# Altium PCB PCB_Core.PcbDoc (part 1 of 2) (continued)
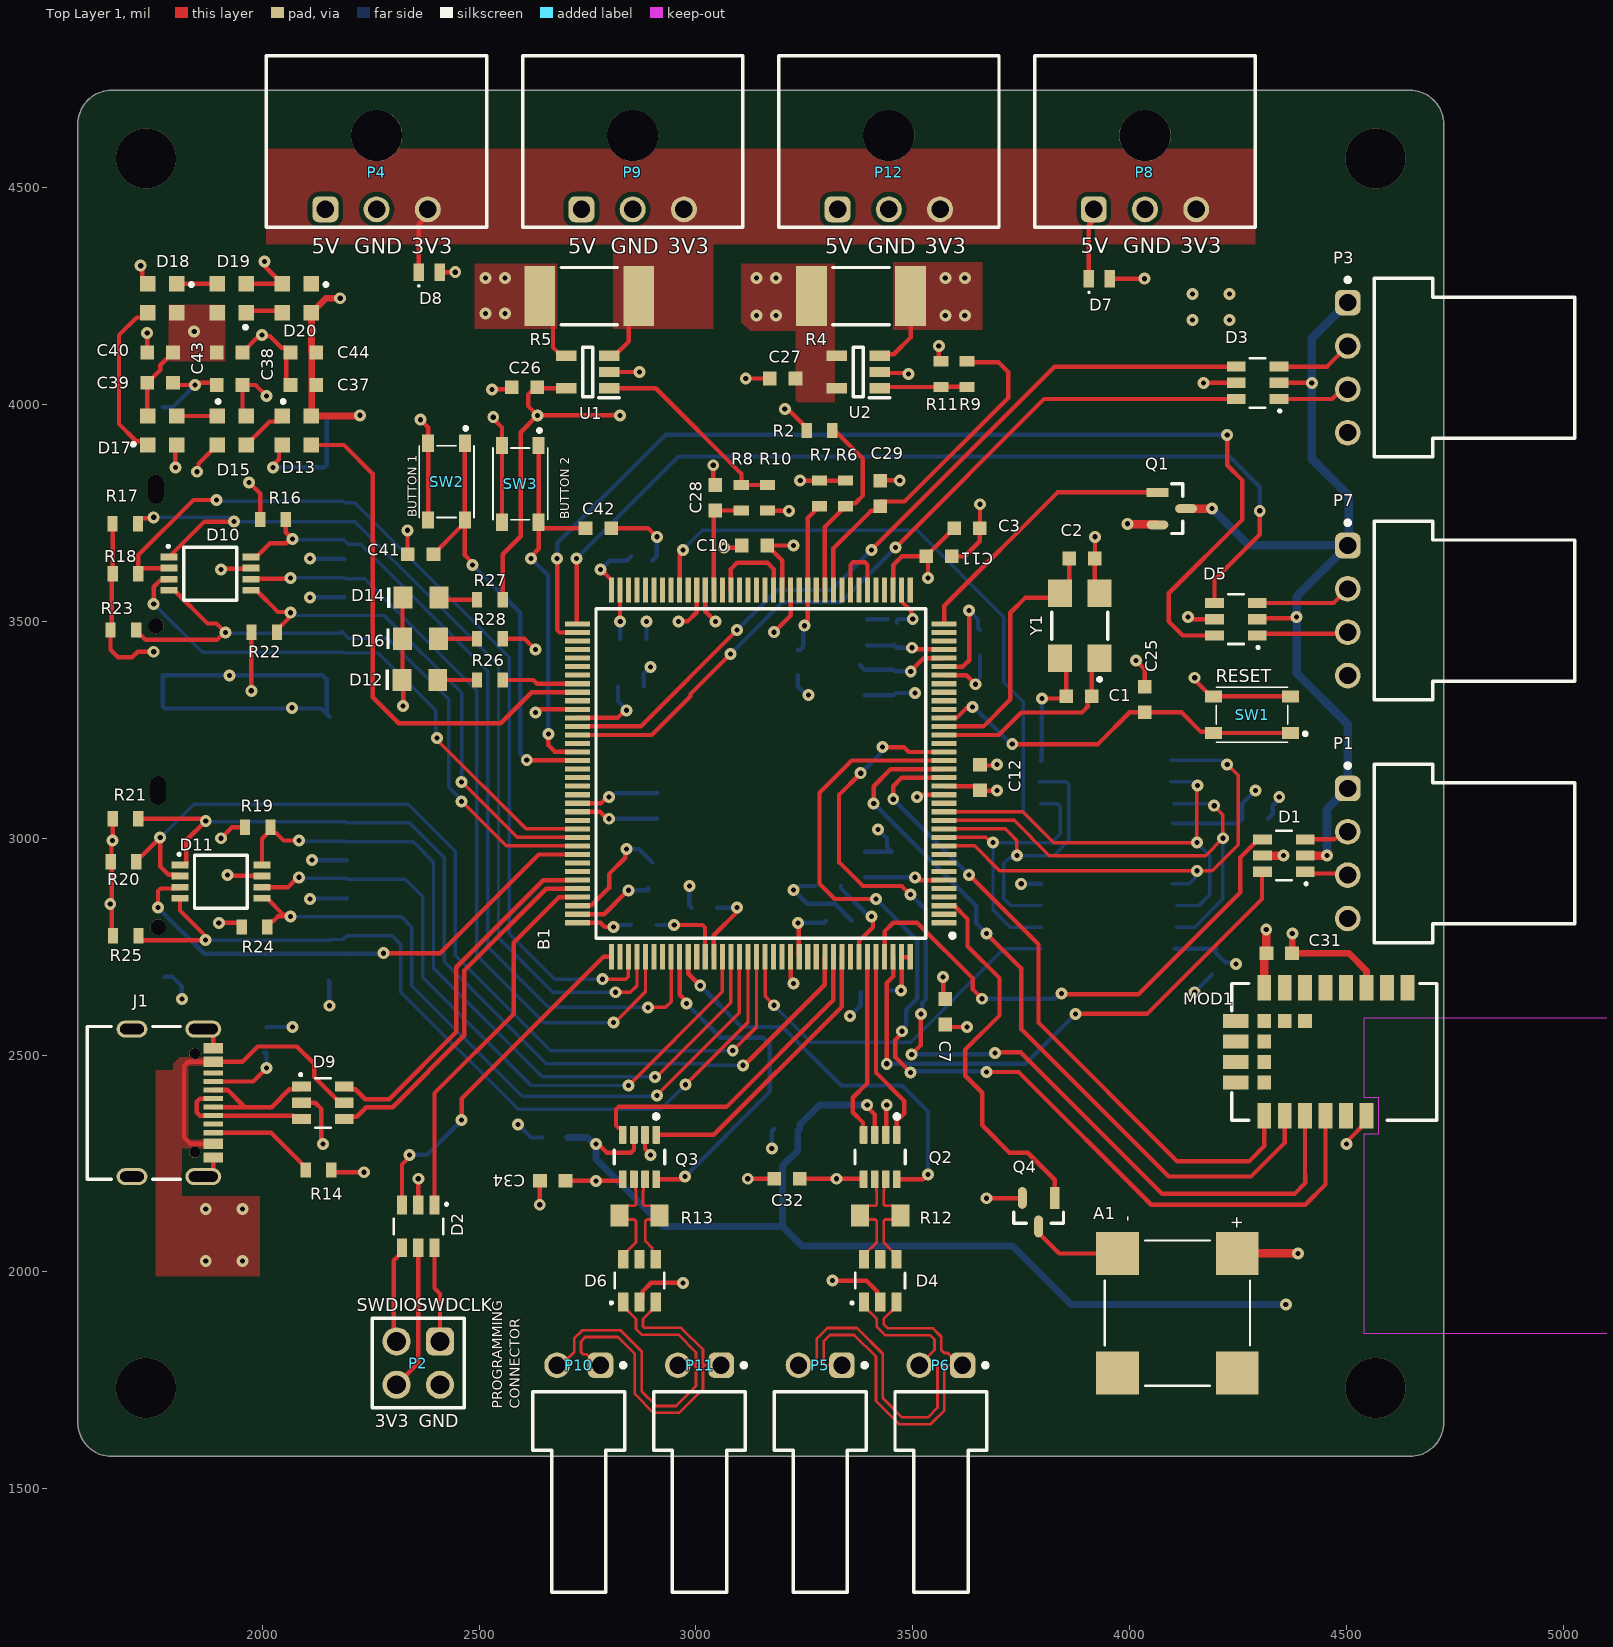
[diagram p0: Top Layer 1 view]
## Footprints (in the part's own frame and the unit in brackets; to place one, negate y for a bottom-side part, rotate by r counter-clockwise, add the part's x,y. Pads: shape width x height; smd on the part's side, far side on the other; paste and mask are expansions set on the pad) (continued)
WL-SMCW_0805_150080xx75000 [mm] "SMD Mono-color Chip LED, body 2.0x1.25mm"
  rect 1.1x1.3 smd: 1(-1.05,0) 2(1.05,0)
  silkscreen extent -2,-0.6 -1.8,0.6, body extent -1,-0.63 1,0.62, height 0.7
WRIS-RSKS_0603_Reflow [mm] "Fixed Thick Film, body 1.60 x 0.80 mm"
  rect 0.6x0.9 smd: 1(-0.75,0) 2(0.75,0)
  body extent -0.8,-0.4 0.8,0.4, height 0.45

## Part data
A1: library part CMP-00027-00000-2, "Alarm"
B1: library part CMP-163-000000-3, "High-performance and DSP with DP-FPU, Arm Cortex-M7 MCU with 512 Kbytes Flash, 564 Kbytes RAM, 550 MHz CPU, L1 cache, external memory interface, subset of peripherals", Manufacturer_Name=STMicroelectronics, Mouser Part Number=511-STM32H723ZET6, Datasheet Link=https://www.st.com/resource/en/datasheet/stm32h723ve.pdf, Design Item ID=STM32H723ZET6, Geometry.Height=1.6mm, Manufacturer_Part_Number=STM32H723ZET6, Mouser Price/Stock=https://www.mouser.co.uk/ProductDetail/STMicroelectronics/STM32H723ZET6?qs=sPbYRqrBIVnvdSB0MwAafg%3D%3D, Source=STM32H723ZET6.SchLib
C1 C2: library part CMP-001-00150-1, "WCAP-CSGP Multilayer Ceramic Chip Capacitor, General Purpose, size 0603, NP0, 22pF, 25VDC", Capacitance Tolerance=+/-5%, Case/Package=0603, Insulation Resistance=10GOhm, Manufacturer="Wurth Elektronik", Operating Temperature Max=125°C, Operating Temperature Min=-55°C, Rated Voltage (DC)=25V, Category="Multilayer Ceramic Chip Capacitors", Ceramic Type=NP0, Component Type=Standard, ComponentLink1Description="Website Link", ComponentLink1URL=https://www.we-online.com/redexpert/article/885012006034?ad, ComponentLink2Description="Datasheet Link", ComponentLink2URL=https://www.we-online.com/redexpert/spec/885012006034?ad, Design Item ID=885012006034, Height=0.8mm, Length=1.6mm, Manufacturer Part Number=885012006034, Match Code=WCAP-CSGP, Mount="Surface Mount", Packaging="Tape and Reel", Pins=2, Q Factor=840, Source=WCAP-CSGP.SchLib, Technical Reference=NP00603220J025DFCT10000, Width=0.8mm
C3 C31: library part CMP-001-00440-1, "WCAP-CSGP Multilayer Ceramic Chip Capacitor, General Purpose, size 0603, X5R, 4.7uF, 10VDC", Capacitance Tolerance=+/-20%, Case/Package=0603, Insulation Resistance=0.02GOhm, Manufacturer="Wurth Elektronik", Operating Temperature Max=85°C, Operating Temperature Min=-55°C, Rated Voltage (DC)=10V, Category="Multilayer Ceramic Chip Capacitors", Ceramic Type=X5R, Component Type=Standard, ComponentLink1Description="Website Link", ComponentLink1URL=https://www.we-online.com/redexpert/article/885012106012?ad, ComponentLink2Description="Datasheet Link", ComponentLink2URL=https://www.we-online.com/redexpert/spec/885012106012?ad, Design Item ID=885012106012, Dissipation Factor=10%, Height=0.8mm, Length=1.6mm, Manufacturer Part Number=885012106012, Match Code=WCAP-CSGP, Mount="Surface Mount", Packaging="Tape and Reel", Pins=2, Source=WCAP-CSGP.SchLib, Technical Reference=X5R0603475M010DFCT10000, Width=0.8mm
C4 C5 C6 C7 C8 C9 C10 C11 C12 C13 C14 C16 C18 C22 C24 C25 C26 C27 C30 C32 C33 C34 C35 C36 C37 C38 C39 C40 C41 C42 C43 C44: library part CMP-001-00661-1, "WCAP-CSGP Multilayer Ceramic Chip Capacitor, General Purpose, size 0603, X7R, 100nF, 25VDC", Capacitance Tolerance=+/-10%, Case/Package=0603, Insulation Resistance=5GOhm, Manufacturer="Wurth Elektronik", Operating Temperature Max=125°C, Operating Temperature Min=-55°C, Rated Voltage (DC)=25V, Category="Multilayer Ceramic Chip Capacitors", Ceramic Type=X7R, Component Type=Standard, ComponentLink1Description="Website Link", ComponentLink1URL=https://www.we-online.com/redexpert/article/885012206071?ad, ComponentLink2Description="Datasheet Link", ComponentLink2URL=https://www.we-online.com/redexpert/spec/885012206071?ad, Design Item ID=885012206071, Dissipation Factor=3.5%, Height=0.8mm, Length=1.6mm, Manufacturer Part Number=885012206071, Match Code=WCAP-CSGP, Mount="Surface Mount", Packaging="Tape and Reel", Pins=2, Source=WCAP-CSGP.SchLib, Technical Reference=X7R0603104K025DFCT10000, Width=0.8mm
C15 C17 C21 C23: library part CMP-001-00642-1, "WCAP-CSGP Multilayer Ceramic Chip Capacitor, General Purpose, size 0603, X7R, 1uF, 16VDC", Capacitance Tolerance=+/-10%, Case/Package=0603, Insulation Resistance=0.1GOhm, Manufacturer="Wurth Elektronik", Operating Temperature Max=125°C, Operating Temperature Min=-55°C, Rated Voltage (DC)=16V, Category="Multilayer Ceramic Chip Capacitors", Ceramic Type=X7R, Component Type=Standard, ComponentLink1Description="Website Link", ComponentLink1URL=https://www.we-online.com/redexpert/article/885012206052?ad, ComponentLink2Description="Datasheet Link", ComponentLink2URL=https://www.we-online.com/redexpert/spec/885012206052?ad, Design Item ID=885012206052, Dissipation Factor=10%, Height=0.8mm, Length=1.6mm, Manufacturer Part Number=885012206052, Match Code=WCAP-CSGP, Mount="Surface Mount", Packaging="Tape and Reel", Pins=2, Source=WCAP-CSGP.SchLib, Technical Reference=X7R0603105K016DFCT10000, Width=0.8mm
C19 C20: library part CMP-001-00446-1, "WCAP-CSGP Multilayer Ceramic Chip Capacitor, General Purpose, size 0603, X5R, 2.2uF, 16VDC", Capacitance Tolerance=+/-20%, Case/Package=0603, Insulation Resistance=0.05GOhm, Manufacturer="Wurth Elektronik", Operating Temperature Max=85°C, Operating Temperature Min=-55°C, Rated Voltage (DC)=16V, Category="Multilayer Ceramic Chip Capacitors", Ceramic Type=X5R, Component Type=Standard, ComponentLink1Description="Website Link", ComponentLink1URL=https://www.we-online.com/redexpert/article/885012106018?ad, ComponentLink2Description="Datasheet Link", ComponentLink2URL=https://www.we-online.com/redexpert/spec/885012106018?ad, Design Item ID=885012106018, Dissipation Factor=10%, Height=0.8mm, Length=1.6mm, Manufacturer Part Number=885012106018, Match Code=WCAP-CSGP, Mount="Surface Mount", Packaging="Tape and Reel", Pins=2, Source=WCAP-CSGP.SchLib, Technical Reference=X5R0603225M016DFCT10000, Width=0.8mm
C28 C29: library part CMP-001-00652-1, "WCAP-CSGP Multilayer Ceramic Chip Capacitor, General Purpose, size 0603, X7R, 3.3nF, 25VDC", Capacitance Tolerance=+/-10%, Case/Package=0603, Insulation Resistance=10GOhm, Manufacturer="Wurth Elektronik", Operating Temperature Max=125°C, Operating Temperature Min=-55°C, Rated Voltage (DC)=25V, Category="Multilayer Ceramic Chip Capacitors", Ceramic Type=X7R, Component Type=Standard, ComponentLink1Description="Website Link", ComponentLink1URL=https://www.we-online.com/redexpert/article/885012206062?ad, ComponentLink2Description="Datasheet Link", ComponentLink2URL=https://www.we-online.com/redexpert/spec/885012206062?ad, Design Item ID=885012206062, Dissipation Factor=3.5%, Height=0.8mm, Length=1.6mm, Manufacturer Part Number=885012206062, Match Code=WCAP-CSGP, Mount="Surface Mount", Packaging="Tape and Reel", Pins=2, Source=WCAP-CSGP.SchLib, Technical Reference=X7R0603332K025DFCT10000, Width=0.8mm
D1 D2 D3 D4 D5 D6 D9: library part CMP-004-00017-1, "WE-TVS TVS Diode – High Speed Series, SOT23-6L, 2+1 Channel, 5V, 2pF", (Reverse) Breakdown Voltage=6V, (Reverse) Peak Pulse Current=7A, Case/Package=SOT23-6L, Channel ESD Clamping Voltage=10V, Channel Input Capacitance=2pF, Channel Operating Voltage=5V, Channel Reverse Leakage Current=1uA, Manufacturer="Wurth Elektronik", Operating Temperature Max=125°C, Operating Temperature Min=-40°C, Category="ESD Protection", Component Type=Standard, ComponentLink1Description="Website Link", ComponentLink1URL=https://www.we-online.com/redexpert/article/82400102?ad, ComponentLink2Description="Datasheet Link", ComponentLink2URL=https://www.we-online.com/redexpert/spec/82400102?ad, Design Item ID=82400102, ESD Air Discharge Capability=15kV, ESD Contact Discharge Capability=8kV, Height=1.45mm, Length=2.9mm, Manufacturer Part Number=82400102, Match Code=WE-TVS, Mount="Surface Mount", Number of Channels=2+1, Packaging="Tape and Reel", Pins=6, Polarity=Unidirectional, Source=WE-TVS.SchLib, Width=2.8mm
D7: library part CMP-03913-133963841-1, "824032815 Tvs Diode, Bidir, 5V, Dfn1610 Rohs Compliant: Yes", Max Operating Temperature=85°C, Min Operating Temperature=-55°C, Height=500µm, Length=1.6mm, NexarPartId=133963841, RoHS=Compliant, Width=1mm
D8: library part CMP-03913-133963840-1, "824032813 Tvs Diode, Bidir, 3.3V, Dfn1610 Rohs Compliant: Yes", Max Operating Temperature=125°C, Min Operating Temperature=-55°C, Height=500µm, Length=1.6mm, NexarPartId=133963840, RoHS=Compliant, Width=1mm
D10 D11: library part CMP-004-00042-1, "WE-TVS TVS Diode – Super Speed Series, MSOP-8L, 6+1 Channel, 5V, 0.2pF", (Reverse) Breakdown Voltage=6V, (Reverse) Peak Pulse Current=2.5A, Case/Package=MSOP-8L, Channel ESD Clamping Voltage=13V, Channel Input Capacitance=0.2pF, Channel Operating Voltage=5V, Channel Reverse Leakage Current=1uA, Manufacturer="Wurth Elektronik", Operating Temperature Max=85°C, Operating Temperature Min=-55°C, Category="ESD Protection", Component Type=Standard, ComponentLink1Description="Website Link", ComponentLink1URL=https://www.we-online.com/redexpert/article/82401646?ad, ComponentLink2Description="Datasheet Link", ComponentLink2URL=https://www.we-online.com/redexpert/spec/82401646?ad, Design Item ID=82401646, ESD Air Discharge Capability=15kV, ESD Contact Discharge Capability=8kV, Height=0.96mm, Length=4.9mm, Manufacturer Part Number=82401646, Match Code=WE-TVS, Mount="Surface Mount", Number of Channels=6+1, Packaging="Tape and Reel", Pins=8, Polarity=Unidirectional, Source=WE-TVS.SchLib, Width=3mm
D12: library part CMP-004-00456-1, "WL-SMCW Mono-color Chip LED Waterclear, SMT, size 0805, Yellow, 2V, 140°", Case/Package=0805, Emitting Color=Yellow, Forward Voltage=2V, Manufacturer="Wurth Elektronik", Operating Temperature Max=85°C, Operating Temperature Min=-40°C, Category="Signal LEDs", Chip Technology=AlInGaP, Component Type=Standard, ComponentLink1Description="Website Link", ComponentLink1URL=https://www.we-online.com/redexpert/article/150080YS75000?ad, ComponentLink2Description="Datasheet Link", ComponentLink2URL=https://www.we-online.com/redexpert/spec/150080YS75000?ad, Design Item ID=150080YS75000, Dominant Wavelength=590nm, Height=0.7mm, Length=2mm, Luminous Intensity=120mcd, Manufacturer Part Number=150080YS75000, Match Code=WL-SMCW, Mount="Surface Mount", Packaging="Tape and Reel", Peak Wavelength=595nm, Pins=2, Source=WL-SMCW.SchLib, Viewing Angle=140°, Width=1.25mm
D13 D15 D17 D18 D19 D20: library part CMP-004-00010-1, "WL-ICLED Integrated Controller within LED, Chip LED 2020, 5.5mA", Case/Package="Chip LED 2020", Emitting Color="Green & Red & Blue", Frequency of the PWM=5kHz, IC Output Current=5.5mA, Manufacturer="Wurth Elektronik", Operating Temperature Max=85°C, Operating Temperature Min=-40°C, Category="IC LEDs", Component Type=Standard, ComponentLink1Description="Website Link", ComponentLink1URL=https://www.we-online.com/redexpert/article/1312020030000?ad, ComponentLink2Description="Datasheet Link", ComponentLink2URL=https://www.we-online.com/redexpert/spec/1312020030000?ad, Design Item ID=1312020030000, Dominant Wavelength (Blue)=470nm, Dominant Wavelength (Green)=525nm, Dominant Wavelength (Red)=625nm, Height=0.9mm, Length=2mm, Luminous Intensity (Blue)=50mcd, Luminous Intensity (Green)=120mcd, Luminous Intensity (Red)=80mcd, Manufacturer Part Number=1312020030000, Match Code=WL-ICLED, Mount="Surface Mount", Packaging="Tape and Reel", Peak Wavelength (Blue)=465nm, Peak Wavelength (Green)=520nm, Peak Wavelength (Red)=630nm, Pins=4, Source=WL-ICLED.SchLib, Viewing Angle=120°, Width=2mm
D14: library part CMP-004-00452-1, "WL-SMCW Mono-color Chip LED Waterclear, SMT, size 0805, Green, 3.2V, 140°", Case/Package=0805, Emitting Color=Green, Forward Voltage=3.2V, Manufacturer="Wurth Elektronik", Operating Temperature Max=85°C, Operating Temperature Min=-40°C, Category="Signal LEDs", Chip Technology=InGaN, Component Type=Standard, ComponentLink1Description="Website Link", ComponentLink1URL=https://www.we-online.com/redexpert/article/150080GS75000?ad, ComponentLink2Description="Datasheet Link", ComponentLink2URL=https://www.we-online.com/redexpert/spec/150080GS75000?ad, Design Item ID=150080GS75000, Dominant Wavelength=525nm, Height=0.7mm, Length=2mm, Luminous Intensity=450mcd, Manufacturer Part Number=150080GS75000, Match Code=WL-SMCW, Mount="Surface Mount", Packaging="Tape and Reel", Peak Wavelength=515nm, Pins=2, Source=WL-SMCW.SchLib, Viewing Angle=140°, Width=1.25mm
D16: library part CMP-1426-00007-3, "WURTH ELEKTRONIK - 150080GS75000 - LED, Green, SMD, 0805, 30 mA, 3.2 V, 520 nm", Case Code (Imperial)=0805, Case Code (Metric)=2012, Color=Green, Forward Current=100mA, Forward Voltage=3.2V, Max Junction Temperature (Tj)=95°C, Max Operating Temperature=85°C, Max Reverse Voltage (DC)=5V, Min Operating Temperature=-40°C, Power Dissipation=105mW, Test Current=20mA, Case/Package=0805, Dominant Wavelength=525nm, Height=700µm, Length=2mm, Lens Style="Clear, Rectangular", Luminous Intensity=450mcd, Mount="Surface Mount", Packaging="Tape and Reel", Peak Wavelength=515nm, REACH SVHC=Unknown, Reverse Voltage=5V, RoHS=Compliant, Viewing Angle=140°, Wavelength=525nm, Width=1.25mm
IC1 IC2: "Integrated Circuit", Manufacturer_Name=Winbond, Mouser Part Number=454-W25N01GVZEIT, Arrow Part Number=W25N01GVZEIT, Arrow Price/Stock=https://www.arrow.com/en/products/w25n01gvzeit/winbond-electronics?region=nac, Datasheet Link=https://www.winbond.com/hq/search-resource-file.jsp?partNo=W25N01GVZEIT&type=datasheet, Height=0.8mm, Manufacturer_Part_Number=W25N01GVZEIT, Mouser Price/Stock=https://www.mouser.co.uk/ProductDetail/Winbond/W25N01GVZEIT?qs=qSfuJ%252Bfl%2Fd62yqJfJtnOQw%3D%3D
J1: library part CMP-133-000027-1, "WR-COM USB 2.0 Type C Receptacle Horizontal SMT", Manufacturer="Wurth Elektronik", Operating Temperature Max=85°C, Operating Temperature Min=-40°C, Rated Current=5A, Working Voltage="20V (DC)", Application="USB 2.0", Category="Input/Output Connectors", Component Type=Standard, ComponentLink1Description="Website Link", ComponentLink1URL=https://www.we-online.com/redexpert/article/629722000214?ad, ComponentLink2Description="Datasheet Link", ComponentLink2URL=https://www.we-online.com/redexpert/spec/629722000214?ad, Design Item ID=629722000214, Gender=Receptacle, Interface Type="Type C", Manufacturer Part Number=629722000214, Match Code=WR-USB, Mount="Surface Mount", Number of Pins=16, Number of Ports=1, Orientation=Horizontal, Packaging="Tape and Reel", Pin Count=13, Source=WR-USB.SchLib
J2 J3: library part CMP-002-00279-1, "WR-CRD Micro SD Card Connector Push & Push", Contact Resistance=100mOhm, Manufacturer="Wurth Elektronik", Operating Temperature Max=85°C, Operating Temperature Min=-40°C, Rated Current=0.5A, Withstanding Voltage=500VAC, Working Voltage=30VAC, Category="Input/Output Connectors", Component Type=Standard, ComponentLink1Description="Website Link", ComponentLink1URL=https://www.we-online.com/redexpert/article/693071020811?ad, ComponentLink2Description="Datasheet Link", ComponentLink2URL=https://www.we-online.com/redexpert/spec/693071020811?ad, Design Item ID=693071020811, Gender=Socket, Manufacturer Part Number=693071020811, Match Code=WR-CRD, Mount="Surface Mount", Packaging="Tape and Reel", Pin Count=13, Pins=8, Source=WR-CRD.SchLib, Type="Push & Push"
MOD1: library part CMP-169-000025-1, "Thyone-I - Radio Modules 2.4 GHz", Frequency=2402-2480MHz, Operating Supply Voltage max.=3.6V, Operating Supply Voltage min.=1.8V, Operating Temperature="-40 to +85 degC", Output Power e.r.p.=–, Part Number=2611011021000, ComponentLink1Description=Manufacturer, ComponentLink1URL=http://www.we-online.de, ComponentLink2Description=Datasheet, ComponentLink2URL=https://katalog.we-online.de/wco/datasheet/2611011021000.pdf, Design Item ID=WIRL-PRO2_2611011021000, Line of Sight Range=750m, Mounting Technology=SMT, Packaging="Tape and Reel", Published Date="April 2019", Publisher="Wurth Elektronik", RF Bitrate max.=2000kbps, RX sensitivity e.r.p.=–, Source=WE_WIRL_Rev15.SchLib
P1 P3 P7: library part CMP-002-00294-1, "WR-WTB THT Male Right Angled Top Locking Header, pitch 2.54mm, 4pins", Contact Resistance=20mOhm, Manufacturer="Wurth Elektronik", Operating Temperature Max=105°C, Operating Temperature Min=-40°C, Rated Current=3A, Withstanding Voltage=1000VAC, Working Voltage=250VAC, Category="Wire-to-Board Connectors", Component Type=Standard, ComponentLink1Description="Website Link", ComponentLink1URL=https://www.we-online.com/redexpert/article/61900419521?ad, ComponentLink2Description="Datasheet Link", ComponentLink2URL=https://www.we-online.com/redexpert/spec/61900419521?ad, Design Item ID=61900419521, Gender=Male, Height=5.8mm, Length=10.16mm, Manufacturer Part Number=61900419521, Match Code=WR-WTB, Mount="Through Hole", Number of Rows=1, Orientation="Right Angled Top Locking", Packaging=Bag, Pin Count=4, Pins=4, Pitch=2.54mm, Source=WR-WTB.SchLib, Width=12.47mm
P2: library part CMP-002-00747-2, "Board Connector, 4 Contact(s), 2 Row(s), Male, Straight, 0.1 inch Pitch, Solder Terminal, Black Insulator, Plug", Max Operating Temperature=125°C, Min Operating Temperature=-40°C, Connector Type="BOARD CONNECTOR", Mounting Technology=Board, RoHS Compliant=Yes
P4 P8 P9 P12: library part CMP-002-00023-2, "WR-MPC3 THT Male Right Angled Header with Plastic Pegs, pitch 3mm, 3p", Contact Resistance=10mOhm, Insulation Resistance=>1000MOhm, Manufacturer="Wurth Elektronik", Operating Temperature Max=105°C, Operating Temperature Min=-40°C, Rated Current=5A, Working Voltage="250V (AC)", Category="Wire-to-Board Connectors", Component Type=Standard, ComponentLink1Description="Website Link", ComponentLink1URL=https://www.we-online.com/redexpert/article/66200311022?ad, ComponentLink2Description="Datasheet Link", ComponentLink2URL=https://www.we-online.com/redexpert/spec/66200311022?ad, Design Item ID=66200311022, Gender=Male, Height=5.57mm, Length=12.65mm, Manufacturer Part Number=66200311022, Match Code=WR-MPC3, Mount="Through Hole", Number of Rows=1, Orientation="Right Angled", Packaging=Tube, Pin Count=3, Pins=3, Pitch=3mm, Source=WR-MPC3.SchLib, Width=9.9mm
P5 P6 P10 P11: library part CMP-002-00288-1, "WR-WTB THT Male Right Angled Top Locking Header, pitch 2.54mm, 2pins", Contact Resistance=20mOhm, Manufacturer="Wurth Elektronik", Operating Temperature Max=105°C, Operating Temperature Min=-40°C, Rated Current=3A, Withstanding Voltage=1000VAC, Working Voltage=250VAC, Category="Wire-to-Board Connectors", Component Type=Standard, ComponentLink1Description="Website Link", ComponentLink1URL=https://www.we-online.com/redexpert/article/61900219521?ad, ComponentLink2Description="Datasheet Link", ComponentLink2URL=https://www.we-online.com/redexpert/spec/61900219521?ad, Design Item ID=61900219521, Gender=Male, Height=5.8mm, Length=5.08mm, Manufacturer Part Number=61900219521, Match Code=WR-WTB, Mount="Through Hole", Number of Rows=1, Orientation="Right Angled Top Locking", Packaging=Bag, Pin Count=2, Pins=2, Pitch=2.54mm, Source=WR-WTB.SchLib, Width=12.47mm
Q1 Q4: library part CMP-013-00010-1, "Power Field-Effect Transistor, 6.3A I(D), 20V, 0.021ohm, 1-Element, N-Channel, Silicon, Metal-oxide Semiconductor FET, TO-236AB", Max Operating Temperature=150°C, Pins=3, RoHS Compliant=Yes
Q2 Q3: library part CMP-015-00003-4, "Enhanced automotive CAN transceiver with standby 8-SOT-23-THIN -40 to 150"
R1 R2 R3: library part CMP-009-00328-1, "WRIS-RSKS Thick Film Resistor, size 0603, 10000Ohm, 100mW", Case/Package=0603, Limiting Element Voltage=75V, Manufacturer="Wurth Elektronik", Operating Temperature Max=155°C, Operating Temperature Min=-55°C, Rated Power=100mW, Resistance Tolerance=+/-1%, Temperature Coefficient of Resistance Max=100ppm/°C, Temperature Coefficient of Resistance Min=-100ppm/°C, Category="Thick Film Resistors", Component Type=Standard, ComponentLink1Description="Website Link", ComponentLink1URL=https://www.we-online.com/redexpert/article/560112116005?ad, ComponentLink2Description="Datasheet Link", ComponentLink2URL=https://www.we-online.com/redexpert/spec/560112116005?ad, Design Item ID=560112116005, Height=0.45mm, Length=1.6mm, Manufacturer Part Number=560112116005, Match Code=WRIS-RSKS, Mount="Surface Mount", Packaging="Tape and Reel", Pins=2, Source=WRIS-RSKS.SchLib, Width=0.8mm
R4 R5: library part CMP-009-00124-2, "Res, 0R01, 1%, 2W, Metal Foil, 0612 Rohs Compliant: Yes"
R6: library part CMP-009-00358-1, "WRIS-RSKS Thick Film Resistor, size 0603, 15000Ohm, 100mW", Case/Package=0603, Limiting Element Voltage=75V, Manufacturer="Wurth Elektronik", Operating Temperature Max=155°C, Operating Temperature Min=-55°C, Rated Power=100mW, Resistance Tolerance=+/-1%, Temperature Coefficient of Resistance Max=100ppm/°C, Temperature Coefficient of Resistance Min=-100ppm/°C, Category="Thick Film Resistors", Component Type=Standard, ComponentLink1Description="Website Link", ComponentLink1URL=https://www.we-online.com/redexpert/article/560112116035?ad, ComponentLink2Description="Datasheet Link", ComponentLink2URL=https://www.we-online.com/redexpert/spec/560112116035?ad, Design Item ID=560112116035, Height=0.45mm, Length=1.6mm, Manufacturer Part Number=560112116035, Match Code=WRIS-RSKS, Mount="Surface Mount", Packaging="Tape and Reel", Pins=2, Source=WRIS-RSKS.SchLib, Width=0.8mm
R7: library part CMP-009-00327-1, "WRIS-RSKS Thick Film Resistor, size 0603, 100000Ohm, 100mW", Case/Package=0603, Limiting Element Voltage=75V, Manufacturer="Wurth Elektronik", Operating Temperature Max=155°C, Operating Temperature Min=-55°C, Rated Power=100mW, Resistance Tolerance=+/-1%, Temperature Coefficient of Resistance Max=100ppm/°C, Temperature Coefficient of Resistance Min=-100ppm/°C, Category="Thick Film Resistors", Component Type=Standard, ComponentLink1Description="Website Link", ComponentLink1URL=https://www.we-online.com/redexpert/article/560112116004?ad, ComponentLink2Description="Datasheet Link", ComponentLink2URL=https://www.we-online.com/redexpert/spec/560112116004?ad, Design Item ID=560112116004, Height=0.45mm, Length=1.6mm, Manufacturer Part Number=560112116004, Match Code=WRIS-RSKS, Mount="Surface Mount", Packaging="Tape and Reel", Pins=2, Source=WRIS-RSKS.SchLib, Width=0.8mm
R8 R9 R28: library part CMP-009-00390-1, "WRIS-RSKS Thick Film Resistor, size 0603, 470Ohm, 100mW", Case/Package=0603, Limiting Element Voltage=75V, Manufacturer="Wurth Elektronik", Operating Temperature Max=155°C, Operating Temperature Min=-55°C, Rated Power=100mW, Resistance Tolerance=+/-1%, Temperature Coefficient of Resistance Max=100ppm/°C, Temperature Coefficient of Resistance Min=-100ppm/°C, Category="Thick Film Resistors", Component Type=Standard, ComponentLink1Description="Website Link", ComponentLink1URL=https://www.we-online.com/redexpert/article/560112116067?ad, ComponentLink2Description="Datasheet Link", ComponentLink2URL=https://www.we-online.com/redexpert/spec/560112116067?ad, Design Item ID=560112116067, Height=0.45mm, Length=1.6mm, Manufacturer Part Number=560112116067, Match Code=WRIS-RSKS, Mount="Surface Mount", Packaging="Tape and Reel", Pins=2, Source=WRIS-RSKS.SchLib, Width=0.8mm
R10 R11: library part CMP-009-00342-1, "WRIS-RSKS Thick Film Resistor, size 0603, 470000Ohm, 100mW", Case/Package=0603, Limiting Element Voltage=75V, Manufacturer="Wurth Elektronik", Operating Temperature Max=155°C, Operating Temperature Min=-55°C, Rated Power=100mW, Resistance Tolerance=+/-1%, Temperature Coefficient of Resistance Max=100ppm/°C, Temperature Coefficient of Resistance Min=-100ppm/°C, Category="Thick Film Resistors", Component Type=Standard, ComponentLink1Description="Website Link", ComponentLink1URL=https://www.we-online.com/redexpert/article/560112116019?ad, ComponentLink2Description="Datasheet Link", ComponentLink2URL=https://www.we-online.com/redexpert/spec/560112116019?ad, Design Item ID=560112116019, Height=0.45mm, Length=1.6mm, Manufacturer Part Number=560112116019, Match Code=WRIS-RSKS, Mount="Surface Mount", Packaging="Tape and Reel", Pins=2, Source=WRIS-RSKS.SchLib, Width=0.8mm
R12 R13: library part CMP-009-00119-3, "Fixed Resistor, Metal Glaze/thick Film, 0.4W, 120ohm, 150V, 1% +/-Tol, 100ppm/Cel, Surface Mount, 0805", Case/Package=0805, Power=500mW, Mounting Technology=SMD, Pins=2
R14 R15: library part CMP-009-00329-1, "WRIS-RSKS Thick Film Resistor, size 0603, 4700Ohm, 100mW", Case/Package=0603, Limiting Element Voltage=75V, Manufacturer="Wurth Elektronik", Operating Temperature Max=155°C, Operating Temperature Min=-55°C, Rated Power=100mW, Resistance Tolerance=+/-1%, Temperature Coefficient of Resistance Max=100ppm/°C, Temperature Coefficient of Resistance Min=-100ppm/°C, Category="Thick Film Resistors", Component Type=Standard, ComponentLink1Description="Website Link", ComponentLink1URL=https://www.we-online.com/redexpert/article/560112116006?ad, ComponentLink2Description="Datasheet Link", ComponentLink2URL=https://www.we-online.com/redexpert/spec/560112116006?ad, Design Item ID=560112116006, Height=0.45mm, Length=1.6mm, Manufacturer Part Number=560112116006, Match Code=WRIS-RSKS, Mount="Surface Mount", Packaging="Tape and Reel", Pins=2, Source=WRIS-RSKS.SchLib, Width=0.8mm
R16 R17 R18 R19 R20 R21 R22 R23 R24 R25: library part CMP-009-00348-1, "WRIS-RSKS Thick Film Resistor, size 0603, 47000Ohm, 100mW", Case/Package=0603, Limiting Element Voltage=75V, Manufacturer="Wurth Elektronik", Operating Temperature Max=155°C, Operating Temperature Min=-55°C, Rated Power=100mW, Resistance Tolerance=+/-1%, Temperature Coefficient of Resistance Max=100ppm/°C, Temperature Coefficient of Resistance Min=-100ppm/°C, Category="Thick Film Resistors", Component Type=Standard, ComponentLink1Description="Website Link", ComponentLink1URL=https://www.we-online.com/redexpert/article/560112116025?ad, ComponentLink2Description="Datasheet Link", ComponentLink2URL=https://www.we-online.com/redexpert/spec/560112116025?ad, Design Item ID=560112116025, Height=0.45mm, Length=1.6mm, Manufacturer Part Number=560112116025, Match Code=WRIS-RSKS, Mount="Surface Mount", Packaging="Tape and Reel", Pins=2, Source=WRIS-RSKS.SchLib, Width=0.8mm
R26: library part CMP-009-00361-1, "WRIS-RSKS Thick Film Resistor, size 0603, 1500Ohm, 100mW", Case/Package=0603, Limiting Element Voltage=75V, Manufacturer="Wurth Elektronik", Operating Temperature Max=155°C, Operating Temperature Min=-55°C, Rated Power=100mW, Resistance Tolerance=+/-1%, Temperature Coefficient of Resistance Max=100ppm/°C, Temperature Coefficient of Resistance Min=-100ppm/°C, Category="Thick Film Resistors", Component Type=Standard, ComponentLink1Description="Website Link", ComponentLink1URL=https://www.we-online.com/redexpert/article/560112116038?ad, ComponentLink2Description="Datasheet Link", ComponentLink2URL=https://www.we-online.com/redexpert/spec/560112116038?ad, Design Item ID=560112116038, Height=0.45mm, Length=1.6mm, Manufacturer Part Number=560112116038, Match Code=WRIS-RSKS, Mount="Surface Mount", Packaging="Tape and Reel", Pins=2, Source=WRIS-RSKS.SchLib, Width=0.8mm
R27: library part CMP-009-00337-1, "WRIS-RSKS Thick Film Resistor, size 0603, 1000Ohm, 100mW", Case/Package=0603, Limiting Element Voltage=75V, Manufacturer="Wurth Elektronik", Operating Temperature Max=155°C, Operating Temperature Min=-55°C, Rated Power=100mW, Resistance Tolerance=+/-1%, Temperature Coefficient of Resistance Max=100ppm/°C, Temperature Coefficient of Resistance Min=-100ppm/°C, Category="Thick Film Resistors", Component Type=Standard, ComponentLink1Description="Website Link", ComponentLink1URL=https://www.we-online.com/redexpert/article/560112116014?ad, ComponentLink2Description="Datasheet Link", ComponentLink2URL=https://www.we-online.com/redexpert/spec/560112116014?ad, Design Item ID=560112116014, Height=0.45mm, Length=1.6mm, Manufacturer Part Number=560112116014, Match Code=WRIS-RSKS, Mount="Surface Mount", Packaging="Tape and Reel", Pins=2, Source=WRIS-RSKS.SchLib, Width=0.8mm
SW1 SW2 SW3: library part CMP-011-00002-1, "Keypad Switch, 1 Switches, SPST, Momentary-tactile, 0.05A, 12VDC, 2.26N, Solder Terminal, Surface Mount-straight"
U1 U2: library part CMP-014-00004-3, "Shunt Current Measure Amplifier", Manufacturer="Texas Instruments", Manufacturer Part Number=INA138NA/3K, ClassName="1Pyro OPAMP"
Y1: library part CMP-003-00170-1, "WE-XTAL Quartz Crystal, SMT, CFPX-104, 10MHz, +/-30ppm", Case/Package=CFPX-104, Frequency=10MHz, Frequency Stability=+/-30ppm, Load Capacitance=12pF, Manufacturer="Wurth Elektronik", Operating Temperature Max=85°C, Operating Temperature Min=-40°C, Category=Crystals, Component Type=Standard, ComponentLink1Description="Website Link", ComponentLink1URL=https://www.we-online.com/redexpert/article/830056583?ad, ComponentLink2Description="Datasheet Link", ComponentLink2URL=https://www.we-online.com/redexpert/spec/830056583?ad, Design Item ID=830056583, Frequency Tolerance=+/-30ppm, Height=1mm, Length=5mm, Manufacturer Part Number=830056583, Match Code=WE-XTAL, Mount="Surface Mount", Packaging="Tape and Reel", Pins=4, Source=WE-XTAL.SchLib, Width=3.2mm

## Via types
v1: diameter 27.56, hole 11.81, Top Layer 1 to Bottom Layer 1, 228 vias
v2: diameter 137.8, hole 137.8, Top Layer 1 to Bottom Layer 1, 4 vias

## Nets (pads, with @x,y where several pads share a name; then routed paths per layer and width w, separated by ;. In a path a pad name is that pad's centre, name@x,y a point inside that pad or via, vN(x,y) a via of type N, cw(c..) or ccw(c..) an arc to the next point about the centre after c; other vN are vias at no path point)
3V3_Current+: D8.1 P4.3 P8.3 P9.3 P12.3 R5.2 U1.3 | length 326.5
  Top Layer 1 w10: D8.1@2360.89,4305 2360.89,4415.51 2381.89,4436.51 P4.3@2381.89,4450 ; U1.3@2800,4112.4 2811.81,4112.4 2845,4145.59 2845,4226.65 R5.2@2868.35,4250